# Allegro board SG2042_EVB_V2_0.brd (continued)
## Nets (continued)
EMMC_DAT2: R33.2 R1249.1 U2.A5
EMMC_DAT3: R34.2 R1250.1 U2.B2
EMMC_DS: R42.1 U2.H5
EMMC_PWR_EN: R1251.1 T6.1(TP)
EMMC_RST_X: R1252.1 U2.K5
EMMC_WP: R39.1 R1253.1
EN_3.3V_AUX_PCIE: R2515.1 R12922.1 R12923.1 U2019.5
EN_DDR01_VDDQ_1V2: R2068.2 R12846.2 R12847.1 U3269.9
EN_DDR01_VPP_2V5: C6119.1 R235.1 R2072.2 R12839.2 R12842.1 U29.8
EN_DDR23_VDDQ_1V2: R2069.2 R12858.1 R12859.2 U3270.9
EN_DDR23_VPP_2V5: C6153.1 R2073.2 R12865.2 R12875.1 R12876.1 U3271.8
EN_DDR_VDD_0V8: R2077.2 R2562.1
EN_VDD_1V2: R12984.1 R12987.1 R12996.1 U3277.5
EN_VDD_1V5: R12978.1 R12981.1 R12995.1 U3276.5
EN_VDD_1V05: R12485.1 R12489.1 R13029.2 U3234.5
EN_VDD_1V05_ASM: R2588.2 R12662.1 R12668.2 U3251.7
EN_VDD_1V25: R12671.1 R12675.1 U2009.15 U3252.5
EN_VDD_2V5: R12990.1 R12993.1 R12997.1 U3278.5
EN_VDD_2V5_ASM: R2580.1 R2585.1 R2587.2 U2027.5
EN_VDD_3V3: R12912.1 R12918.2 R12924.1 U3272.7
EN_VDD_PCIE_D_0V8: R674.1 R679.2 R2058.1 U60.7
EN_VDD_PCIE_H_1V8: R341.1 R2060.1 R2099.1 U28.5
EN_VDD_PLL_0V8: R307.1 R2059.1 R2098.1 U19.5
EN_VDDC: R2076.2 R2532.1
EN_VDDIO18: R354.1 R2056.1 R2100.1 U31.5
EN_VDDIO33: R1349.1 R2057.1 R2101.1 U816.5
EN_VQPS18: R257.1 R2054.1
EXTL_PWR: L1012.2 U3237.2
FAULT#_0: R2529.1 U3262.26 U3263.26 U3264.26 U3265.26 U3266.26 U3267.26
FAULT#_1: R2557.1 U3268.26
FOR_LED0: J2022.2 Q2028.3 R12763.1
FOR_LED1: J2022.4 Q2026.3 R12761.1
FOR_LED2: J2022.6 Q2027.3 R12762.1
FOR_LED3: J2022.8 Q2025.3 R12760.1
FOR_SW0: J2022.10 R12747.1
FOR_SW1: J2022.12 R12751.1
FOR_SW2: J2022.14 R12755.1
FOR_SW3: J2022.16 R12759.1
FP0_D0: R12974.1 R12976.2 U3273.V17
GPIO0: J2022.18 U1.G24
GPIO1: J2022.20 U1.J26
GPIO2: J2022.22 U1.F23
GPIO3: J2022.24 U1.H25
GPIO4: R593.1 U1.F25
GPIO5: J2022.17 U1.F24
GPIO5_19371836: R12517.1 R12524.1 U3235.AD25
GPIO6: J2022.19 U1.A17
GPIO7: J2022.21 U1.H26
GPIO8: R597.1 U1.A18
GPIO9: R598.1 U1.D19
GPIO10: R599.1 U1.F27
GPIO11: R600.1 U1.F26
GPIO12: R2276.1 U1.G26
GPIO13: R2280.1 U1.B18
GPIO14: R2281.1 U1.E24
GPIO15: R2282.1 U1.E22
GPIO16: U1.J27 U2018.1
GPIO16_H: J17.4 U2018.20
GPIO17: U1.C19 U2018.3
GPIO17_H: J17.6 U2018.18
GPIO18: U1.E25 U2018.4
GPIO18_H: J17.8 U2018.17
GPIO19: U1.E27 U2018.5
GPIO19_H: J17.10 U2018.16
GPIO20: U1.E16 U2018.6
GPIO20_H: J17.12 U2018.15
GPIO21: U1.F21 U2018.7
GPIO21_H: J17.14 U2018.14
GPIO22: U1.F19 U2018.8
GPIO22_H: J17.16 U2018.13
GPIO23: U1.J23 U2018.9
GPIO23_H: J17.18 U2018.12
GPIO24: U1.H24 U2006.1
GPIO24_H: J17.20 U2006.20
GPIO25: U1.H18 U2006.3
GPIO25_H: J17.22 U2006.18
GPIO26: U1.E33 U2006.4
GPIO26_H: J17.24 U2006.17
GPIO27: U1.B34 U2006.5
GPIO27_H: J17.1 R2208.1 U2006.16
GPIO28: U1.J31 U2006.6
GPIO28_H: J17.3 U2006.15
GPIO29: U1.G32 U2006.7
GPIO29_H: J17.5 U2006.14
GPIO30: U1.E34 U2006.8
GPIO30_H: J17.7 U2006.13
GPIO31: U1.D34 U2006.9
GPIO31_H: J17.9 U2006.12
GVDD: C6180.1 C6185.1 C6186.1 C6187.1 FB2050.1 U3273.A23 U3273.B19 U3273.H8 U3273.H9 U3273.H10 U3273.H11 U3273.H12 U3273.H13
HPD: D605.2 J2047.H19 R12956.2
HTX0+: D600.2 J2047.H7 U3273.V22
HTX0-: D599.2 J2047.H9 U3273.V23
HTX1+: D602.2 J2047.H4 U3273.U22
HTX1-: D601.2 J2047.H6 U3273.U23
HTX2+: D604.2 J2047.H1 U3273.T22
HTX2-: D603.2 J2047.H3 U3273.T23
HTXC+: D598.2 J2047.H10 U3273.W22
HTXC-: D597.2 J2047.H12 U3273.W23
I_+5V: C3232.2 R2199.2 T91.1(TP) U2009.35
I_VDD_12V: C3234.2 R2200.2 T93.1(TP) U2009.36
IIC0_SCL: R196.1 R243.1 R12920.2 U2003.1
IIC0_SCL_H: J14.1 R2190.1 R2277.1 U2003.20
IIC0_SDA: R197.1 R246.1 R12921.2 U2003.3
IIC0_SDA_H: J14.3 R2191.1 R2278.1 U2003.18
IIC1_SCL: R198.1 R247.1 U2003.4
IIC1_SCL_H: J14.7 R2184.1 R2192.1 U2003.17
IIC1_SDA: R199.1 R248.1 U2003.5
IIC1_SDA_H: J14.9 R2185.1 R2193.1 U2003.16
IIC2_SCL: R200.1 R249.1 U2003.6
IIC2_SCL_H: J14.13 R2194.1 R12698.1 U2003.15 U3253.19
IIC2_SDA: R201.1 R252.1 U2003.7
IIC2_SDA_H: J14.15 R2195.1 R12699.1 U2003.14 U3253.20
IIC3_SCL: R202.1 R254.1 U2003.8 U2010.7
IIC3_SCL_H: J14.19 R2196.1 U2003.13
IIC3_SDA: R208.1 R255.1 U2003.9 U2010.6
IIC3_SDA_H: J14.21 R2197.1 U2003.12
INT_HOTPLUG: U3235.AA25
JTAG0_SRST_X: R141.2 T79.1(TP)
JTAG0_TCK: R145.2 T81.1(TP)
JTAG0_TDI: R148.2 T82.1(TP)
JTAG0_TDO: R151.2 T83.1(TP)
JTAG0_TMS: R154.2 T84.1(TP)
JTAG0_TRST_X: R142.2 T80.1(TP)
JTAG1_SRST_X: D10.1 J10.15 R159.2
JTAG1_TCK: D8.1 J10.9 R118.1 R136.2 R162.2
JTAG1_TDI: D9.1 J10.5 R99.1 R163.2
JTAG1_TDO: D13.1 J10.13 R101.1 R172.2
JTAG1_TMS: D11.1 J10.7 R100.1 R180.2
JTAG1_TRST_X: D12.1 J10.3 R98.1 R133.2 R160.2
JTAG2_SRST_X: R174.2 T85.1(TP)
JTAG2_TCK: R185.2 T88.1(TP)
JTAG2_TDI: R188.2 T89.1(TP)
JTAG2_TDO: R190.2 T87.1(TP)
JTAG2_TMS: R191.2 T90.1(TP)
JTAG2_TRST_X: R184.2 T86.1(TP)
LED_10048: R12554.2 U3237.46
LPC_CLKRUN: R225.2 U806.1
LPC_CLKRUN_H: J13.2 R2211.2
LPC_LAD0: R232.2 U806.4
LPC_LAD0_H: J13.6 R2213.2
LPC_LAD1: R234.2 U806.5
LPC_LAD1_H: J13.8 R2214.2
LPC_LAD2: R237.2 U806.6
LPC_LAD2_H: J13.10 R2215.2
LPC_LAD3: R239.2 U806.7
LPC_LAD3_H: J13.12 R2216.2
LPC_LCLK: R231.2 U806.3
LPC_LCLK_H: J13.4 R2212.2
LPC_LDRQ0: R241.2 U806.8
LPC_LDRQ0_H: J13.14 R2217.2
LPC_LDRQ1: R242.2 U806.9
LPC_LDRQ1_H: J13.16 R2218.2
LPC_LFRAME: R244.2 U807.1
LPC_LFRAME_H: J13.18 R2203.2
LPC_LPCPD: R472.2 U807.3
LPC_LPCPD_H: J13.20 R2204.2
LPC_LPME: R473.2 U807.4
LPC_LPME_H: J13.1 R2205.2
LPC_LSMI: R474.2 U807.5
LPC_LSMI_H: J13.3 R2206.2
LPC_SERIRQ: R475.2 U807.6
LPC_SERIRQ_H: J13.22 R2207.2
MCU_ATX_ON: R2445.2 R2446.1
MCU_BOOT0: R2341.1 R2343.2 U2009.94
MCU_BOOT1: R2342.1 R2344.2 U2009.37
MCU_GPIO1: Q2018.3 R2331.1 R12746.1
MCU_GPIO2: Q2020.3 R2332.1 R12750.1
MCU_GPIO3: Q2022.3 R2333.1 R12754.1
MCU_GPIO4: Q2024.3 R2334.1 R12758.1
MCU_GPIO5: R2335.1 R12767.1
MCU_GPIO6: R2336.1 R12765.1
MCU_GPIO7: R2337.1 R12766.1
MCU_GPIO8: R2338.1 R12764.1
MCU_I2C1_SCL: R484.2 R2303.1 U11.8
MCU_I2C1_SDA: R483.2 R2304.1 U11.7
MCU_I2C2_SCL: R2091.2 R2093.2 R2184.2
MCU_I2C2_SDA: R2092.2 R2094.2 R2185.2
MCU_I2C3_SCL: J17.11
MCU_I2C3_SDA: J17.13
MCU_NRST: C3272.2 R2025.1 R2340.1 TP30.1(TP) U2009.14
MCU_OK: R2066.1 R2074.2
MCU_PS_ON#: Q403.3 R2440.1 U2009.7
MCU_PWR_OK_C: Q2009.3 R2442.1 U2009.55
MCU_SWCLK: R2024.1 R2250.2 TP32.1(TP)
MCU_SWDIO: R2023.1 R2106.2 TP31.1(TP)
MCU_USART1_RX: J14.22 R2252.2 SW202.6
MCU_USART1_TX: J14.20 R2253.2 SW202.5
MODE_SEL0: R110.1 R128.2 U1.B33
MODE_SEL1: R115.1 R129.2 U1.A34
MODE_SEL2: R114.1 R130.2 U1.F31
MOS_PWM0: U202.1 U3262.28
MOS_PWM1: U202.2 U3263.28
MOS_PWM2: U202.3 U3264.28
MOS_PWM3: U202.4 U3265.28
MOS_PWM4: U202.5 U3266.28
MOS_PWM5: U202.6 U3267.28
MULTI_SCKT: R156.1 R171.2 U1.H31
MVDD: C6188.1 C6193.1 C6194.1 C6195.1 C6196.1 C6214.1 C6218.1 C6219.2 C6220.2 L1036.2 R12958.1 R12980.2 T99.1(TP) U3273.J8 U3273.J9 U3273.K8 U3273.K9 U3273.R8 U3273.R9 U3273.R10 U3273.T8 U3273.T9 U3273.T10
NVME0_ALERT: J2030.44 R12571.2
NVME0_TX_N0: C5871.2 J2030.47
NVME0_TX_N1: C5875.2 J2030.35
NVME0_TX_N2: C5879.2 J2030.23
NVME0_TX_N3: C5883.2 J2030.11
NVME0_TX_P0: C5870.2 J2030.49
NVME0_TX_P1: C5874.2 J2030.37
NVME0_TX_P2: C5878.2 J2030.25
NVME0_TX_P3: C5882.2 J2030.13
OSC32_IN: C2000.1 U2001.1 Y2000.1
OSC32_OUT: C2001.1 U2001.2(X2) Y2000.2(X2)
PCB_VRE0: C3335.2 R2037.2 U2009.26
PCIE0_0_REFCLK_M: R275.2 R292.1 U1.BK37
PCIE0_0_REFCLK_P: R274.2 R293.1 U1.BL37
PCIE0_1_REFCLK_M: R271.2 R294.1 U1.BR37
PCIE0_1_REFCLK_P: R270.2 R295.1 U1.BT37
PCIE0_2_REFCLK_M: J2046.A14 R283.2 R288.1
PCIE0_2_REFCLK_P: J2046.A13 R282.2 R289.1
PCIE0_3_REFCLK_M: R269.2 R296.1
PCIE0_3_REFCLK_P: R268.2 R297.1
PCIE0_ATB_0: T37.1(TP) U1.H29
PCIE0_ATB_1: T34.1(TP) U1.G29
PCIE0_L0_CLKREQ_IN_X: U1.E31 U814.3
PCIE0_L0_CLKREQ_IN_X_H: J2046.B12 R1332.2
PCIE0_L0_RESET_X: R2276.2 U1.A32 U814.1
PCIE0_L0_RESET_X_H: J2046.A11 R1311.2
PCIE0_L0_WAKEUP_X: U1.C32 U814.4
PCIE0_L0_WAKEUP_X_H: J2046.B11(WAKE#) R1334.2
PCIE0_L1_CLKREQ_IN_X: U1.D32 U814.6
PCIE0_L1_CLKREQ_IN_X_H: R1335.2 R12492.1
PCIE0_L1_RESET_X: R2280.2 U1.C33 U814.5
PCIE0_L1_RESET_X_H: R1312.2 R12491.1
PCIE0_L1_WAKEUP_X: R12948.2 T33.1(TP) U1.F30
PCIE0_REXT: R17.1 U1.J29
PCIE0_RXM[0]: J2046.A17 U1.BR29
PCIE0_RXM[1]: J2046.A22 U1.BN30
PCIE0_RXM[2]: J2046.A26 U1.BR31
PCIE0_RXM[3]: J2046.A30 U1.BN32
PCIE0_RXM[4]: J2046.A36 U1.BR33
PCIE0_RXM[5]: J2046.A40 U1.BN34
PCIE0_RXM[6]: J2046.A44 U1.BR35
PCIE0_RXM[7]: J2046.A48 U1.BN36
PCIE0_RXP[0]: J2046.A16 U1.BT29
PCIE0_RXP[1]: J2046.A21 U1.BP30
PCIE0_RXP[2]: J2046.A25 U1.BT31
PCIE0_RXP[3]: J2046.A29 U1.BP32
PCIE0_RXP[4]: J2046.A35 U1.BT33
PCIE0_RXP[5]: J2046.A39 U1.BP34
PCIE0_RXP[6]: J2046.A43 U1.BT35
PCIE0_RXP[7]: J2046.A47 U1.BP36
PCIE0_TXM[0]: C382.2 J2046.B15
PCIE0_TXM[0]_L: C382.1 U1.BK29
PCIE0_TXM[1]: C387.2 J2046.B20
PCIE0_TXM[1]_L: C387.1 U1.BH30
PCIE0_TXM[2]: C391.2 J2046.B24
PCIE0_TXM[2]_L: C391.1 U1.BK31
PCIE0_TXM[3]: C395.2 J2046.B28
PCIE0_TXM[3]_L: C395.1 U1.BH32
PCIE0_TXM[4]: C399.2 J2046.B34
PCIE0_TXM[4]_L: C399.1 U1.BK33
PCIE0_TXM[5]: C403.2 J2046.B38
PCIE0_TXM[5]_L: C403.1 U1.BH34
PCIE0_TXM[6]: C407.2 J2046.B42
PCIE0_TXM[6]_L: C407.1 U1.BK35
PCIE0_TXM[7]: C411.2 J2046.B46
PCIE0_TXM[7]_L: C411.1 U1.BH36
PCIE0_TXM[8]_L: C415.1 U1.BH38
PCIE0_TXM[9]_L: C419.1 U1.BK39
PCIE0_TXM[10]_L: C423.1 U1.BH40
PCIE0_TXM[11]_L: C427.1 U1.BK41
PCIE0_TXM[12]_L: C431.1 U1.BH42
PCIE0_TXM[13]_L: C435.1 U1.BK43
PCIE0_TXM[14]_L: C439.1 U1.BH44
PCIE0_TXM[15]_L: C443.1 U1.BK45
PCIE0_TXP[0]: C383.2 J2046.B14
PCIE0_TXP[0]_L: C383.1 U1.BL29
PCIE0_TXP[1]: C385.2 J2046.B19
PCIE0_TXP[1]_L: C385.1 U1.BJ30
PCIE0_TXP[2]: C389.2 J2046.B23
PCIE0_TXP[2]_L: C389.1 U1.BL31
PCIE0_TXP[3]: C393.2 J2046.B27
PCIE0_TXP[3]_L: C393.1 U1.BJ32
PCIE0_TXP[4]: C397.2 J2046.B33
PCIE0_TXP[4]_L: C397.1 U1.BL33
PCIE0_TXP[5]: C401.2 J2046.B37
PCIE0_TXP[5]_L: C401.1 U1.BJ34
PCIE0_TXP[6]: C405.2 J2046.B41
PCIE0_TXP[6]_L: C405.1 U1.BL35
PCIE0_TXP[7]: C409.2 J2046.B45
PCIE0_TXP[7]_L: C409.1 U1.BJ36
PCIE0_TXP[8]_L: C413.1 U1.BJ38
PCIE0_TXP[9]_L: C417.1 U1.BL39
PCIE0_TXP[10]_L: C421.1 U1.BJ40
PCIE0_TXP[11]_L: C425.1 U1.BL41
PCIE0_TXP[12]_L: C429.1 U1.BJ42
PCIE0_TXP[13]_L: C433.1 U1.BL43
PCIE0_TXP[14]_L: C437.1 U1.BJ44
PCIE0_TXP[15]_L: C441.1 U1.BL45
PCIE1_0_REFCLK_M: R2526.2 R2527.1 U1.BH20
PCIE1_0_REFCLK_P: R2525.2 R2528.1 U1.BJ20
PCIE1_1_REFCLK_M: R285.2 R286.1 U1.BN20
PCIE1_1_REFCLK_P: R284.2 R287.1 U1.BP20
PCIE1_2_REFCLK_M: J1104.A14 R281.2 R290.1
PCIE1_2_REFCLK_P: J1104.A13 R280.2 R291.1
PCIE1_3_REFCLK_M: R267.2 R298.1 U3235.AF2
PCIE1_3_REFCLK_P: R266.2 R299.1 U3235.AF1
PCIE1_ATB_0: T38.1(TP) U1.E30
PCIE1_ATB_1: T39.1(TP) U1.F28
PCIE1_L0_CLKREQ_IN_X: U1.A19 U814.8
PCIE1_L0_CLKREQ_IN_X_H: J1104.B12 R2521.2
PCIE1_L0_RESET_X: R2281.2 U1.H27 U814.7
PCIE1_L0_RESET_X_H: J1104.A11 R2520.2
PCIE1_L0_WAKEUP_X: U1.B19 U814.9
PCIE1_L0_WAKEUP_X_H: J1104.B11(WAKE#) R2522.2
PCIE1_L1_CLKREQ_IN_X: R12950.2 T35.1(TP) U1.H28
PCIE1_L1_RESET_X: R2282.2 R12949.2 U1.G27
PCIE1_L1_WAKEUP_X: R12947.2 T36.1(TP) U1.E28
PCIE1_REXT: R18.1 U1.F29
PCIE1_RXM[0]: J1104.A17 U1.BN12
PCIE1_RXM[1]: J1104.A22 U1.BR13
PCIE1_RXM[2]: J1104.A26 U1.BN14
PCIE1_RXM[3]: J1104.A30 U1.BR15
PCIE1_RXM[4]: J1104.A36 U1.BN16
PCIE1_RXM[5]: J1104.A40 U1.BR17
PCIE1_RXM[6]: J1104.A44 U1.BN18
PCIE1_RXM[7]: J1104.A48 U1.BR19
PCIE1_RXM[8]: J1104.A53 U1.BR21
PCIE1_RXM[9]: J1104.A57 U1.BN22
PCIE1_RXM[10]: J1104.A61 U1.BR23
PCIE1_RXM[11]: J1104.A65 U1.BN24
PCIE1_RXM[12]: J1104.A69 U1.BR25
PCIE1_RXM[13]: J1104.A73 U1.BN26
PCIE1_RXM[14]: J1104.A77 U1.BR27
PCIE1_RXM[15]: J1104.A81 U1.BN28
PCIE1_RXP[0]: J1104.A16 U1.BP12
PCIE1_RXP[1]: J1104.A21 U1.BT13
PCIE1_RXP[2]: J1104.A25 U1.BP14
PCIE1_RXP[3]: J1104.A29 U1.BT15
PCIE1_RXP[4]: J1104.A35 U1.BP16
PCIE1_RXP[5]: J1104.A39 U1.BT17
PCIE1_RXP[6]: J1104.A43 U1.BP18
PCIE1_RXP[7]: J1104.A47 U1.BT19
PCIE1_RXP[8]: J1104.A52 U1.BT21
PCIE1_RXP[9]: J1104.A56 U1.BP22
PCIE1_RXP[10]: J1104.A60 U1.BT23
PCIE1_RXP[11]: J1104.A64 U1.BP24
PCIE1_RXP[12]: J1104.A68 U1.BT25
PCIE1_RXP[13]: J1104.A72 U1.BP26
PCIE1_RXP[14]: J1104.A76 U1.BT27
PCIE1_RXP[15]: J1104.A80 U1.BP28
PCIE1_TXM[0]: C384.2 J1104.B15
PCIE1_TXM[0]_L: C384.1 U1.BH12
PCIE1_TXM[1]: C388.2 J1104.B20
PCIE1_TXM[1]_L: C388.1 U1.BK13
PCIE1_TXM[2]: C392.2 J1104.B24
PCIE1_TXM[2]_L: C392.1 U1.BH14
PCIE1_TXM[3]: C396.2 J1104.B28
PCIE1_TXM[3]_L: C396.1 U1.BK15
PCIE1_TXM[4]: C400.2 J1104.B34
PCIE1_TXM[4]_L: C400.1 U1.BH16
PCIE1_TXM[5]: C404.2 J1104.B38
PCIE1_TXM[5]_L: C404.1 U1.BK17
PCIE1_TXM[6]: C408.2 J1104.B42
PCIE1_TXM[6]_L: C408.1 U1.BH18
PCIE1_TXM[7]: C412.2 J1104.B46
PCIE1_TXM[7]_L: C412.1 U1.BK19
PCIE1_TXM[8]: C416.2 J1104.B51
PCIE1_TXM[8]_L: C416.1 U1.BK21
PCIE1_TXM[9]: C420.2 J1104.B55
PCIE1_TXM[9]_L: C420.1 U1.BH22
PCIE1_TXM[10]: C424.2 J1104.B59
PCIE1_TXM[10]_L: C424.1 U1.BK23
PCIE1_TXM[11]: C428.2 J1104.B63
PCIE1_TXM[11]_L: C428.1 U1.BH24
PCIE1_TXM[12]: C432.2 J1104.B67
PCIE1_TXM[12]_L: C432.1 U1.BK25
PCIE1_TXM[13]: C436.2 J1104.B71
PCIE1_TXM[13]_L: C436.1 U1.BH26
PCIE1_TXM[14]: C440.2 J1104.B75
PCIE1_TXM[14]_L: C440.1 U1.BK27
PCIE1_TXM[15]: C444.2 J1104.B79
PCIE1_TXM[15]_L: C444.1 U1.BH28
PCIE1_TXP[0]: C381.2 J1104.B14
PCIE1_TXP[0]_L: C381.1 U1.BJ12
PCIE1_TXP[1]: C386.2 J1104.B19
PCIE1_TXP[1]_L: C386.1 U1.BL13
PCIE1_TXP[2]: C390.2 J1104.B23
PCIE1_TXP[2]_L: C390.1 U1.BJ14
PCIE1_TXP[3]: C394.2 J1104.B27
PCIE1_TXP[3]_L: C394.1 U1.BL15
PCIE1_TXP[4]: C398.2 J1104.B33
PCIE1_TXP[4]_L: C398.1 U1.BJ16
PCIE1_TXP[5]: C402.2 J1104.B37
PCIE1_TXP[5]_L: C402.1 U1.BL17
PCIE1_TXP[6]: C406.2 J1104.B41
PCIE1_TXP[6]_L: C406.1 U1.BJ18
PCIE1_TXP[7]: C410.2 J1104.B45
PCIE1_TXP[7]_L: C410.1 U1.BL19
PCIE1_TXP[8]: C414.2 J1104.B50
PCIE1_TXP[8]_L: C414.1 U1.BL21
PCIE1_TXP[9]: C418.2 J1104.B54
PCIE1_TXP[9]_L: C418.1 U1.BJ22
PCIE1_TXP[10]: C422.2 J1104.B58
PCIE1_TXP[10]_L: C422.1 U1.BL23
PCIE1_TXP[11]: C426.2 J1104.B62
PCIE1_TXP[11]_L: C426.1 U1.BJ24
PCIE1_TXP[12]: C430.2 J1104.B66
PCIE1_TXP[12]_L: C430.1 U1.BL25
PCIE1_TXP[13]: C434.2 J1104.B70
PCIE1_TXP[13]_L: C434.1 U1.BJ26
PCIE1_TXP[14]: C438.2 J1104.B74
PCIE1_TXP[14]_L: C438.1 U1.BL27
PCIE1_TXP[15]: C442.2 J1104.B78
PCIE1_TXP[15]_L: C442.1 U1.BJ28
PCIE_CLK_3.3V: C1156.2 C1157.2 C1158.2 C1159.2 C1160.2 C1161.2 C1162.2 C1163.2 C1164.2 C1165.2 FB12.2 R272.1 R276.2 R2111.1 R2113.1 U17.3 U17.6 U17.12 U17.25 U17.28 U17.32 U17.35 U17.37(VCCOC) U17.39 Y2.6(VCC)
PCIE_CLKREQ_NVME0: J2030.52 R12569.2
PCIE_REFCLK_M: R278.1 R2118.2 U17.33
PCIE_REFCLK_P: R277.1 R2117.2 U17.34
PCIE_RST_NVME0: J2030.50 R12570.2 R12577.2
PCIE_SATA_RST: R12552.2 R12555.2 R12556.1 U3237.45
PCIE_SATA_RX_N[0]: C5833.1 U3237.32
PCIE_SATA_RX_P[0]: C5832.1 U3237.31
PCIE_SATA_TX_N[0]: C5835.2 U3237.35
PCIE_SATA_TX_P[0]: C5834.2 U3237.34
PCIE_WAKE_NVME0: J2030.54 R12568.2
PD201_OCI1B: R12596.2 U3241.26
PD201_OCI2B: R12595.2 U3241.24
PD201_OCI3B: R12586.2 U3241.22
PD201_OCI4B: R12585.2 U3241.20
PD201_PONRSTB: C5894.2 R12578.2 U3241.14
PD201_PONRSTB_22472187: C6062.2 R12807.2 U3259.14
PD201_PPON1: R12598.2 U3241.27
PD201_PPON2: R12597.2 U3241.25
PD201_PPON3: R12588.2 U3241.23
PD201_PPON4: R12587.2 U3241.21
PERSTN: C5689.1 R12491.2 R12501.1 U3235.A2
PG_DDR01_VDDQ_1V2: R2070.2 U3269.10
PG_DDR23_VDDQ_1V2: R2071.2 U3270.10
PG_DDR_VDD_0V8: R2079.2 R2556.2 U202.17
PG_VDD_1V05_ASM: R12664.1 U3251.8
PG_VDD_PCIE_D_0V8: R676.1 U60.8
PG_VDDC: R2078.2 R2535.2 U202.16
PHY0_ACT_LED: R84.2 R88.2 U7.32
PHY0_AVDD33: C557.1 C558.1 C559.1 FB4.2 U7.11 U7.40
PHY0_CFG_LDO0: R85.2 R90.2 U7.33
PHY0_CFG_LDO1: R70.2 R71.1 U7.34
PHY0_DVDD33: C3174.1 C3175.1 FB3.1 FB4.1 FB2046.1 R71.2 U7.29
PHY0_DVDDRG: C549.1 C550.1 C551.1 C552.1 R69.2 R73.2 R75.2 R77.2 R79.2 R81.2 R83.2 U7.28
PHY0_REGOUT: C560.1 C561.1 C562.1 C563.1 C564.1 C565.1 U7.3 U7.8 U7.21 U7.30 U7.38
PHY0_RGMII0_IRQ: R2209.2 R12677.2 R12678.2 U7.31
PHY0_RSET: R58.2 U7.39
PHY0_XTAL_IN: C574.1 U7.36 Y1.1
PHY0_XTAL_OUT: R95.1 U7.37(XTAL_OUT/EXT_CLK)
PHY_MDI0+: T1.2 U7.1
PHY_MDI0-: T1.3(TD3-) U7.2
PHY_MDI1+: T1.5 U7.4
PHY_MDI1-: T1.6 U7.5
PHY_MDI2+: T1.8 U7.6
PHY_MDI2-: T1.9 U7.7
PHY_MDI3+: T1.11 U7.9
PHY_MDI3-: T1.12 U7.10
PLL_CLK_IN_DDR_L: R124.2 U1.AF48
PLL_CLK_IN_DDR_R: R144.2 U1.AF9
PLL_CLK_IN_MAIN: R186.2 U1.B31
PLL_LOCKO: R580.2 R593.2
PREXT1: R12493.2 U3235.AB2
PREXT2: R12494.2 U3235.E16
PREXT_10048: R12564.1 U3237.37
PS_ON#: ATXPWR1.16 C1171.1 Q2008.3 R304.2 R2441.1 SW201.1
PWM6: U202.7 U3268.28
PWM_FAN0: R132.1 R12926.1 R12927.2
PWM_FAN1: R135.1 R12728.1 R12730.2
PWM_FAN2: R134.1 R12732.1 R12733.2
PWM_FAN3: R137.1 R12735.1 R12736.2
PWM_H_FAN0: J2038.4 Q2035.3 R12925.1
PWM_H_FAN1: J2039.4 Q2029.3 R12727.1
PWM_H_FAN2: J2040.4 Q2031.3 R12731.1
PWM_H_FAN3: J2041.4 Q2033.3 R12734.1
PWR_BUTTON: C3266.1 R2301.1 T4.1(TP) U1.H41
PWR_OK_C: ATXPWR1.8 LED1.A R2443.1
REFIN: C3373.2 C3375.2 C3377.2 C3406.2 C3413.2 C3422.2 C3435.2 C3448.2 C3466.2 C3467.2 C3482.2 C3483.2 C3484.2 C3485.2 C3486.2 R2536.2 U202.25 U202.27 U202.29 U202.31 U202.33 U202.35 U202.37 U3262.30 U3263.30 U3264.30 U3265.30 U3266.30 U3267.30 U3268.30
RGMII0_IRQ: U1.C22 U807.8
RGMII0_MDC: R68.1 R1267.1
RGMII0_MDIO: R69.1 R1268.1 U7.14
RGMII0_REFCLKO: R2299.1 T97.1(TP)
RGMII0_RST_H: C548.1 R2208.2 T43.1(TP) U7.12
RGMII0_RXC: R61.2 R74.2 R75.1 U1.A20
RGMII0_RXCTRL: R62.2 R76.2 R77.1 U1.B20
RGMII0_RXD0: R63.2 R78.2 R79.1 U1.A23
RGMII0_RXD1: R65.2 R80.2 R81.1 U1.A22
RGMII0_RXD2: R66.2 R82.2 R83.1 U1.C23
RGMII0_RXD3: R67.2 R72.2 R73.1 U1.D23
RGMII0_TXC: R1214.1 U7.20
RGMII0_TXCTRL: R1215.1 U7.19
RGMII0_TXD0: R1216.1 U7.18
RGMII0_TXD1: R1217.1 U7.17
RGMII0_TXD2: R1218.1 U7.16
RGMII0_TXD3: R1219.1 U7.15
RST#: R12953.1 U3273.A1
RTC_I2C_SCL: R2277.2 U2001.6
RTC_I2C_SDA: R2278.2 U2001.5
SALRT_68127: R2544.1 U202.20
SCKT_ID0: R23.1 R29.2 U1.C34
SCKT_ID1: R24.1 R30.2 U1.F33
SD_PWR_3V3: FB2.2 U5.A1(VOUT)
SDIO_CD_X: R54.2 R2127.2 U1.B25
SDIO_CLK: R46.2 U1.A27
SDIO_CMD: R47.2 R48.2 U1.B27
SDIO_DAT0: R49.2 U1.D26
SDIO_DAT1: R50.2 U1.C26
SDIO_DAT2: R53.2 U1.B26
SDIO_DAT3: R51.2 U1.A26
SDIO_PWR_EN: R52.1 U1.D25
SDIO_RST_X: T7.1(TP) U1.C25
SDIO_WP: R41.1 U1.A25
SI: R12500.2 R12502.2
SLOT1_3V3: C5750.1 C5751.1 C5752.1 C5753.1 FB2032.1 J2033.A9 J2033.A10 J2033.B8
SLOT1_12V: C5746.1 C5747.1 C5748.1 C5749.1 F410.2 J2033.A2 J2033.A3 J2033.B1 J2033.B2 J2033.B3
SLOT1_PCIE_CLK0_N: J2033.A14 R12879.2 R12938.2
SLOT1_PCIE_CLK0_P: J2033.A13 R12880.2 R12932.2
SLOT1_PCIE_RX0_N: J2033.A17 U3235.AC21
SLOT1_PCIE_RX0_P: J2033.A16 U3235.AC22
SLOT1_PCIE_RX1_N: J2033.A22 U3235.AD19
SLOT1_PCIE_RX1_P: J2033.A21 U3235.AD20
SLOT1_PCIE_RX2_N: J2033.A26 U3235.AC17
SLOT1_PCIE_RX2_P: J2033.A25 U3235.AC18
SLOT1_PCIE_RX3_N: J2033.A30 U3235.AD15
SLOT1_PCIE_RX3_P: J2033.A29 U3235.AD16
SLOT1_PCIE_TX0_N: C5756.2 U3235.AE21
SLOT1_PCIE_TX0_P: C5766.2 U3235.AE22
SLOT1_PCIE_TX1_N: C5772.2 U3235.AF19
SLOT1_PCIE_TX1_P: C5759.2 U3235.AF20
SLOT1_PCIE_TX2_N: C5779.2 U3235.AE17
SLOT1_PCIE_TX2_P: C5778.2 U3235.AE18
SLOT1_PCIE_TX3_N: C5783.2 U3235.AF15
SLOT1_PCIE_TX3_P: C5782.2 U3235.AF16
SLOT1_SCL: J2033.B5 R12679.1 R12700.2
SLOT1_SDA: J2033.B6 R12680.1 R12701.2
SLOT2_3V3: C5762.1 C5763.1 C5764.1 C5765.1 FB2033.1 J2034.A9 J2034.A10 J2034.B8
SLOT2_12V: C5754.1 C5755.1 C5760.1 C5761.1 F411.2 J2034.A2 J2034.A3 J2034.B1 J2034.B2 J2034.B3
SLOT2_PCIE_CLK3_N: J2034.A14 R12881.2 R12934.2
SLOT2_PCIE_CLK3_P: J2034.A13 R12882.2 R12931.2
SLOT2_PCIE_RX8_N: J2034.A17 U3235.P23
SLOT2_PCIE_RX8_P: J2034.A16 U3235.N23
SLOT2_PCIE_RX9_N: J2034.A22 U3235.T24
SLOT2_PCIE_RX9_P: J2034.A21 U3235.R24
SLOT2_PCIE_TX8_N: C5768.2 U3235.P25
SLOT2_PCIE_TX8_P: C5767.2 U3235.N25
SLOT2_PCIE_TX9_N: C5773.2 U3235.T26
SLOT2_PCIE_TX9_P: C5771.2 U3235.R26
SLOT2_SCL: J2034.B5 R12681.1 R12702.2
SLOT2_SDA: J2034.B6 R12682.1 R12703.2
SLOT3_PCIE_CLK4_N: R12908.2 R13028.2 U3241.5
SLOT3_PCIE_CLK4_P: R12909.2 R13027.2 U3241.4
SLOT3_PCIE_RX10_N: C5913.2 U3235.C11
SLOT3_PCIE_RX10_P: C5909.2 U3235.C12
SLOT3_PCIE_TX10_N: C5911.1 U3235.A11
SLOT3_PCIE_TX10_P: C5914.1 U3235.A12
SLOT3_SCL: J2046.B5 R12683.1 R12704.2
SLOT3_SDA: J2046.B6 R12684.1 R12705.2
SLOT4_PCIE_CLK5_N: R12906.2 R12936.2 U3237.27
SLOT4_PCIE_CLK5_P: R12907.2 R12935.2 U3237.26
SLOT4_PCIE_RX11_N: C5835.1 U3235.V23
SLOT4_PCIE_RX11_P: C5834.1 U3235.U23
SLOT4_PCIE_TX11_N: C5833.2 U3235.V25
SLOT4_PCIE_TX11_P: C5832.2 U3235.U25
SLOT4_SCL: J1104.B5 R12685.1 R12706.2
SLOT4_SDA: J1104.B6 R12686.1 R12707.2
SLOT5_PCIE_CLK0_N: J2030.53 R12887.2 R12944.2
SLOT5_PCIE_CLK0_P: J2030.55 R12888.2 R12943.2
SLOT5_PCIE_RX0_N: J2030.41 U3235.L24
SLOT5_PCIE_RX0_P: J2030.43 U3235.M24
SLOT5_PCIE_RX1_N: J2030.29 U3235.J23
SLOT5_PCIE_RX1_P: J2030.31 U3235.K23
SLOT5_PCIE_RX2_N: J2030.17 U3235.G24
SLOT5_PCIE_RX2_P: J2030.19 U3235.H24
SLOT5_PCIE_RX3_N: J2030.5 U3235.E23
SLOT5_PCIE_RX3_P: J2030.7 U3235.F23
SLOT5_PCIE_TX0_N: C5871.1 U3235.L26
SLOT5_PCIE_TX0_P: C5870.1 U3235.M26
SLOT5_PCIE_TX1_N: C5875.1 U3235.J25
SLOT5_PCIE_TX1_P: C5874.1 U3235.K25
SLOT5_PCIE_TX2_N: C5879.1 U3235.G26
SLOT5_PCIE_TX2_P: C5878.1 U3235.H26
SLOT5_PCIE_TX3_N: C5883.1 U3235.E25
SLOT5_PCIE_TX3_P: C5882.1 U3235.F25
SLOT5_SCL: R12573.1 R12687.1 R12708.2
SLOT5_SDA: R12572.1 R12688.1 R12709.2
SLOT6_PCIE_CLK3_N: R12946.2 U3273.B13
SLOT6_PCIE_CLK3_P: R12945.2 U3273.A13
SLOT6_PCIE_RX8_N: C6204.2 U3235.D17
SLOT6_PCIE_RX8_P: C6202.2 U3235.D18
SLOT6_PCIE_RX9_N: C6205.2 U3235.C15
SLOT6_PCIE_RX9_P: C6203.2 U3235.C16
SLOT6_PCIE_TX8_N: C6253.2 U3235.B17
SLOT6_PCIE_TX8_P: C6252.2 U3235.B18
SLOT6_PCIE_TX9_N: C6255.2 U3235.A15
SLOT6_PCIE_TX9_P: C6254.2 U3235.A16
SLOT6_SCL: R12689.1 R12710.2
SLOT6_SDA: R12690.1 R12711.2
SLOT7_3V3: C5792.1 C5793.1 C5794.1 C5807.1 FB2036.1 J2036.A9 J2036.A10 J2036.B8
SLOT7_12V: C5790.1 C5791.1 C5805.1 C5806.1 F412.2 J2036.A2 J2036.A3 J2036.B1 J2036.B2 J2036.B3
SLOT7_PCIE_CLK4_N: J2036.A14 R12885.2 R12939.2
SLOT7_PCIE_CLK4_P: J2036.A13 R12886.2 R12937.2
SLOT7_PCIE_RX10_N: J2036.A17 U3235.Y24
SLOT7_PCIE_RX10_P: J2036.A16 U3235.W24
SLOT7_PCIE_TX10_N: C5801.2 U3235.Y26
SLOT7_PCIE_TX10_P: C5800.2 U3235.W26
SLOT7_SCL: J2036.B5 R12691.1 R12712.2
SLOT7_SDA: J2036.B6 R12692.1 R12713.2
SLOT8_PCIE_CLK5_N: R12910.2 R13026.2 U3259.5
SLOT8_PCIE_CLK5_P: R12911.2 R13025.2 U3259.4
SLOT8_PCIE_RX11_N: C6079.2 U3235.D13
SLOT8_PCIE_RX11_P: C6077.2 U3235.D14
SLOT8_PCIE_TX11_N: C6257.2 U3235.B13
SLOT8_PCIE_TX11_P: C6256.2 U3235.B14
SLOT8_SCL: R12693.1 R12714.2
SLOT8_SDA: R12694.1 R12715.2
SM768_DM_USB0: R13005.2 T105.1(TP)
SM768_DM_USB1: R13007.2 T107.1(TP)
SM768_DM_USB2: R13009.2 T102.1(TP)
SM768_DM_USB3: R13011.2 T109.1(TP)
SM768_DP_USB0: R13004.2 T104.1(TP)
SM768_DP_USB1: R13006.2 T106.1(TP)
SM768_DP_USB2: R13008.2 T108.1(TP)
SM768_DP_USB3: R13010.2 T103.1(TP)
SM768_USB_24M: R12999.2 R13000.2 R13001.2 R13002.2 R13003.2
SMCL: R12504.1 U3235.A1
SMDA: R12503.1 U3235.B1
SPEED_FAN0: Q2036.3 R12928.1 U1.F16
SPEED_FAN1: Q2030.3 R12737.1 U1.H20
SPEED_FAN2: Q2032.3 R12740.1 U1.A16
SPEED_FAN3: Q2034.3 R12743.1 U1.J18
SPEED_H_FAN0: J2038.3 R12929.1 R12930.2
SPEED_H_FAN1: J2039.3 R12738.1 R12739.2
SPEED_H_FAN2: J2040.3 R12741.1 R12742.2
SPEED_H_FAN3: J2041.3 R12744.1 R12745.2
SPI0_CS0_X: J13.5 R215.2
SPI0_CS1_X: J13.7 R217.2
SPI0_SCK: J13.9 R219.2
SPI0_SDI: J13.11 R220.2
SPI0_SDO: J13.13 R222.2
SPI1_CS0_X: J13.15 R207.2
SPI1_CS1_X: J13.17 R209.2
SPI1_SCK: J13.19 R210.2
SPI1_SDI: J13.21 R211.2
SPI1_SDO: J13.23 R212.2
SPI_CLK_10048: R12561.2 U3237.38
SPI_CS: R12495.1 U3235.AD26
SPI_CS_10048: U3237.40 U3238.1
SPI_DI_10048: R12557.2 U3237.41 U3238.2
SPI_DO_10048: R12558.1 U3237.39 U3238.5
SPI_HOLD#: R12509.2 R12519.1 U3236.7
SPI_SCK: R12499.2 R12512.1 R12527.1 U3235.AB26
SPI_SDIO: R12497.1 R12502.1 R12521.1 U3235.AE26
SPI_WP#: R12514.2 U3236.3(WP#)
SPICSB: R12580.2 U3241.17 U3242.1
SPICSB_22472213: R12809.2 U3259.17 U3260.1
SPIF0_CLK_SEL0: J7.4 R20.1 R25.2 R1220.2
SPIF0_CLK_SEL1: J7.6 R19.1 R26.2 R1221.2
SPIF0_CS_X: J7.8 R1223.2
SPIF0_HOLD_X: J7.18 R1222.2
SPIF0_SCK: J7.10 R1224.2
SPIF0_SDI: J7.12 R1225.2
SPIF0_SDO: J7.14 R1226.2
SPIF0_WP_X: J7.16 R1227.2
SPIF1_CLK_SEL0: J7.3 R21.1 R27.2 R1228.2
SPIF1_CLK_SEL1: J7.5 R22.1 R28.2 R1229.2
SPIF1_CS_X: J7.7 R1230.2 R1263.1 U813.1
SPIF1_HOLD_X: J7.17 R1231.2 R1266.1 U813.7
SPIF1_SCK: J7.9 R1232.2 U813.6
SPIF1_SDI: J7.11 R1233.2 U813.2
SPIF1_SDO: J7.13 R1234.2 U813.5
SPIF1_WP_X: J7.15 R1235.2 R1264.1 R1265.2 U813.3(W#/VPP)
SPISCK: R12579.2 R12589.1 U3242.6
SPISCK_22472209: R12808.2 R12820.1 U3260.6
SPISI: R12581.2 R12590.1 U3242.5
SPISI_22472228: R12810.2 R12822.1 U3260.5
SPISO: R12591.1 R12592.1 U3242.2
SPISO_22472287: R12823.1 R12825.1 U3260.2
SREXT_10048: R12562.1 U3237.18
SRX_A_N: C5849.1 J73.5
SRX_A_N_L: C5849.2 U3237.23
SRX_A_P: C5841.1 J73.6
SRX_A_P_L: C5841.2 U3237.24
SRX_B_N: C5852.2 J2048.5
SRX_B_N_L: C5852.1 U3237.14
SRX_B_P: C5840.2 J2048.6
SRX_B_P_L: C5840.1 U3237.13
SSP0_CLK: U3273.C10 U3275.6
SSP0_RXD: U3273.E9 U3275.2
SSP0_SFOUT: U3273.F10 U3275.1
SSP0_TXD: U3273.F9 U3275.5
SSRX1_N: CON1100.14 D543.2 R12600.2
SSRX1_P: CON1100.15 D544.2 R12602.2
SSRX2_N: CON1100.5 D537.2 R12601.2
SSRX2_P: CON1100.6 D538.2 R12603.2
SSRX3_N: CON1101.14 D577.2 R12784.2
SSRX3_P: CON1101.15 D578.2 R12786.2
SSRX4_N: CON1101.5 D571.2 R12785.2
SSRX4_P: CON1101.6 D572.2 R12787.2
SSTX1_N: CON1100.17 D541.2 R12604.2
SSTX1_P: CON1100.18 D542.2 R12606.2
SSTX2_N: CON1100.8 D535.2 R12605.2
SSTX2_P: CON1100.9 D536.2 R12607.2
SSTX3_N: CON1101.17 D575.2 R12788.2
SSTX3_P: CON1101.18 D576.2 R12790.2
SSTX4_N: CON1101.8 D569.2 R12789.2
SSTX4_P: CON1101.9 D570.2 R12791.2
STATUS_LED0: R2080.1 R2251.2
STX_A_N: C5856.1 J73.3
STX_A_N_L: C5856.2 U3237.21
STX_A_P: C5858.1 J73.2
STX_A_P_L: C5858.2 U3237.20
STX_B_N: C5855.2 J2048.3
STX_B_N_L: C5855.1 U3237.16
STX_B_P: C5857.2 J2048.2
STX_B_P_L: C5857.1 U3237.17
SYS_RST_X: C3267.1 K2.2 K2.4 R2302.1 R2474.1 T5.1(TP) U1.J25
SYS_RST_X_H: R2104.1 R2306.2
